# Altium PCB PCB1.PcbDoc (part 2 of 2) (continued)
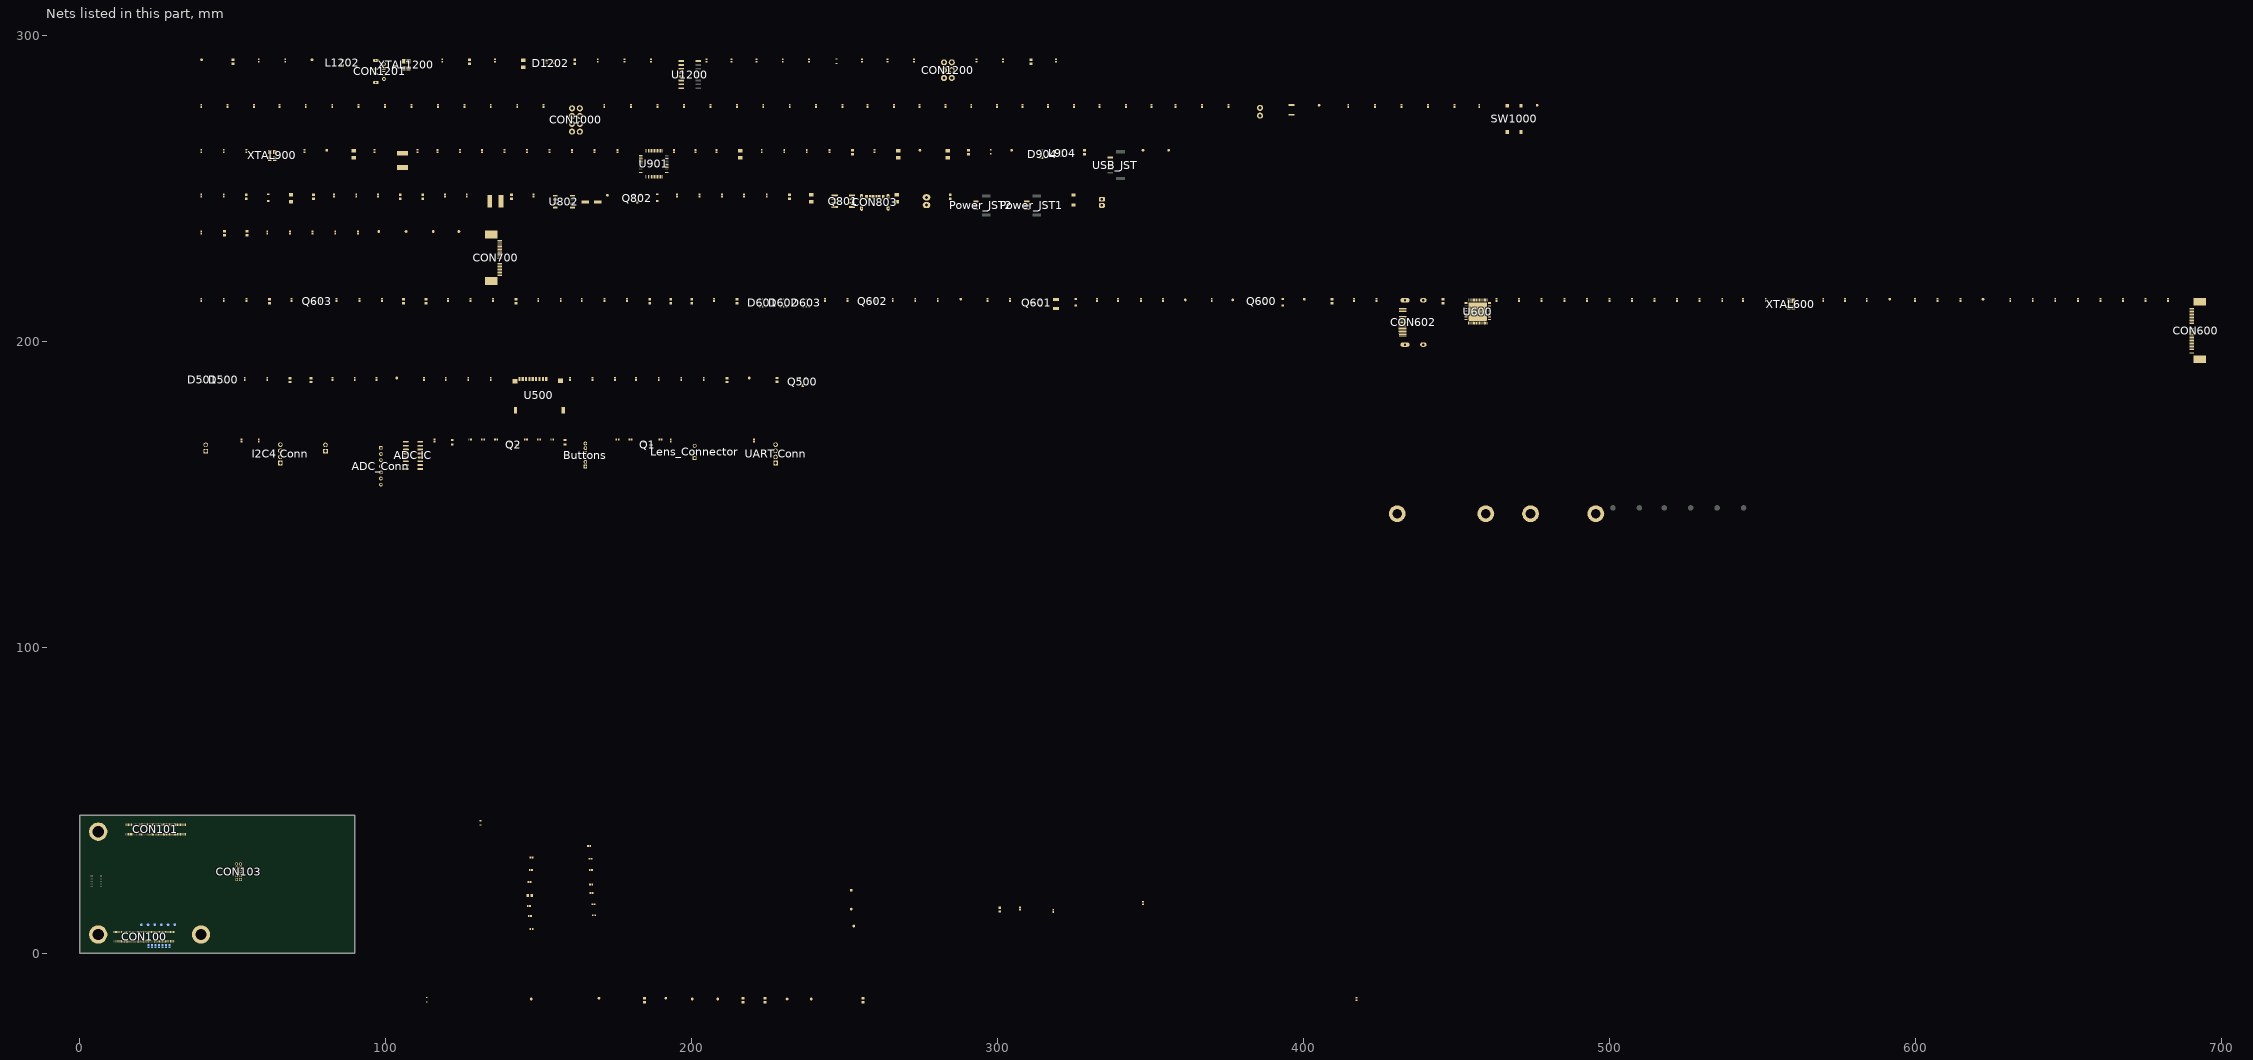
[diagram p2: the nets of this part, all layers, seen from the top]
## Part data (continued)
M100 M101 M102 M103: library part "CON-M3 SCREW", "M3 SCREW"
Power_JST1 Power_JST2: library part CMP-17439-000058-1, "CONN HEADER SMD 3POS 1.25MM", Color=Natural, Flammability Rating="UL94 V-0", Max Operating Temperature=85°C, Min Operating Temperature=-25°C, Connector Type=Header, Contact Finish - Mating=TIN, Contact Material=Bronze, Contact Plating=Tin, Contact Shape=Rectangular, Contact Type="Outer Shroud Contact", Fastening Type=Ramp, Insulation Color=Natural, Insulation Material=Nylon, Lead Free="Lead Free", Mount="Surface Mount", Number of Positions=3, Number of Rows=1, Packaging="Cut Tape", Pitch=0.049inch, Series=GH, Termination=Solder
Q1 Q2: "PNP Bipolar Transistor", LatestRevisionDate=29-May-2009, LatestRevisionNote="IPC-7351 Footprint Added.", PackageDescription="3-Pin SOT-23 Package 0.95 mm Pitch, 2.4 mm Lead Span", PackageReference=SOT-23B, PackageVersion=Aug-1999, Published=8-Jun-2000, Publisher="Altium Limited"
Q500: library part MOS-DMG2305UX-13, "MOSFET P-CH 20V 4.2A SOT23", Manufacturer-1="Diodes Incorporated", Class=Transistor, Created By=EE, Manufacturer Part Number-1=DMG2305UX-13, Unit Price=0.072D
Q600: "MOSFET N-CH 50V 0.2A UMT3F", Manufacturer Part Number-1=RU1J002YNTCL, Manufacturer-1=ROHM, Opt. Temp.=-55/+150, Class=Transistor, Created By=LA, Created Date=23.11.2018, Price Break=3K, Unit Price=0,0384
Q601: library part TRANSISTOR-BC846, "TRANS PNP 65V 0.1A SOT-23", Manufacturer Part Number-1=BC846B,215, Manufacturer-1=NXP, Class=TRANSISTOR, Created By=LA, Price Break=3000, Unit Price=0.02306
Q602 Q603: library part MOS-N-SSM6N37FU,LF, "MOSFET DUAL N-CHANNEL 20V 250MA SOT-363", Manufacturer Part Number-1=SSM6N37FU,LF, Manufacturer-1=TOSHIBA, Opt. Temp.="-55°C ~ 150°C (TJ)", Class=Transistor, Created By=OKS, Created Date=26.05.2022
Q801: library part MOS-P-DMP3028LSD-13, "MOSFET 2P-CH 30V 6A SO-8", Manufacturer Part Number-1=DMP3028LSD-13, Manufacturer-1="Diodes Incorporated", Class=Transistor
Q802: library part TRANSISTOR-BC856, "TRANS PNP 65V 0.1A SOT-23", Manufacturer Part Number-1=BC856, Manufacturer-1="ON Semi", Class=TRANSISTOR, Created By=LA
R1 R2 R3 R4 R5 R6 R7 R8 R9 R10 R11 R12 R15 R16 R111 R112 R113 R114 R116 R813: library part RES-CRGCQ0402J330R, "330 ±5% 0.063W, 1/16W Chip Resistor 0402 (1005 Metric) Automotive AEC-Q200, Moisture Resistant Thick Film", Manufacturer Part Number-1=CRGCQ0402J330R, Manufacturer-1="TE Connectivity Passive Product", Opt. Temp.="-55°C ~ 155°C", Tolerance=%5, Class=Resistor, Created By=E.E, Created Date=23.10.2020
R13 R14: "Resistor", LatestRevisionDate=29-May-2009, LatestRevisionNote="IPC-7351 Footprint Added.", PackageDescription="Chip Resistor", PackageReference=J1-0603, Published=8-Jun-2000, Publisher="Altium Limited"
R100 R102 R103 R104 R105 R106 R807 R808 R810 R811 R812 R815 R818 R1000 R1001 R1002 R1006 R1007 R1008 R1012 R1013 R1014 R1015 R1016 R1017 R1019 R1023 R1024 R1026 R1030 R1031 R1032 R1033 R1034 R1035 R1036 R1041 R1042: library part RES-4.7K, "RES 4.7K OHM 5% 1/16W 0402", Manufacturer Part Number-1=RC0402JR-074K7L, Manufacturer-1=Yageo, Opt. Temp.=-55/+155, Tolerance=%5, Class=Resistor, Created By=LA
  R807 R808 R818 R1006 R1007 R1008 R1015 R1016 R1017 R1026 R1033 R1034 R1035 R1036 R1041 R1042: ASSY_OPT=DNP
R101 R820 R1200 R1201 R1206 R1210: library part RES-RMCF0402JT1K00, "RES 1K OHM 5% 1/16W 0402", Manufacturer Part Number-1=RMCF0402JT1K00, Manufacturer-1=STACKPOLE, Opt. Temp.=-55/+155, Tolerance=%5, Class=Resistor, Created By=LA, Created Date=23.11.2018, Price Break=10K, Unit Price=0,00127
  R1210: ASSY_OPT=DNP
R115 R124 R125 R126 R604 R605 R606 R607 R608 R620 R621 R635 R636 R637 R638 R639 R640 R641 R642 R643 R644 R645 R646 R647 R648 R649 R650 R701 R702 R703 R704 R705 R905 R907 R908 R909 R910: library part RES-RMCF0402ZT0R00, "RES 0 OHM JUMPER 1/16W 0402", Manufacturer Part Number-1=RMCF0402ZT0R00, Manufacturer-1=STACKPOLE, Opt. Temp.=-55/+155, Class=Resistor, Created By=LA, Created Date=23.11.2018, Price Break=10K, Unit Price=0,00127
  R124 R125 R126 R605 R607 R635 R637 R639 R641 R643 R645 R647 R649: ASSY_OPT=DNP
R117 R809 R1209: library part RES-CRGCQ0402F2K2, "2.2 ±1% 0.063W, 1/16W Chip Resistor 0402 (1005 Metric) Automotive AEC-Q200, Moisture Resistant Thick Film", Manufacturer Part Number-1=CRGCQ0402F2K2, Manufacturer-1="TE Connectivity Passive Product", Opt. Temp.="-55°C ~ 155°C", Class=Resistor, Created By=E.E, Created Date=22.10.2020
R120 R121 R122 R619 R625 R626 R628 R629 R630 R631 R632 R633 R634 R900 R901: library part RES-RMCF0402JT10K0, "RES 10K OHM 5% 1/16W 0402", Manufacturer Part Number-1=RMCF0402JT10K0, Manufacturer-1=STACKPOLE, Opt. Temp.=-55/+155, Tolerance=%5, Class=Resistor, Created By=LA, Created Date=23.11.2018, Price Break=10K, Unit Price=0,00127
  R120 R121 R122: ASSY_OPT=DNP
R123: library part RES-RMCF0603FT100R, "RES 100 OHM %1 1/10W 0603", Manufacturer Part Number-1=RMCF0603FT100R, Manufacturer-1=STACKPOLE, Opt. Temp.=-55/+155, ASSY_OPT=DNP, Class=Resistor, Created By=LA, Features=AUTOMOTIVE
R500 R501 R502 R503 R504 R505 R506: library part RES-47K, "RES 47K OHM 5% 1/16W 0402", Opt. Temp.=-55/+155, Tolerance=%5, Class=Resistor, Created By=LA
R507 R508 R509 R510 R511 R512 R513: library part "RES- RC0402JR-0722RL.", "RES, THICK FILM, 22R, 5%, 0.0625W, 0402, REEL", Manufacturer Part Number-1=RC0402JR-0722RL., Manufacturer-1=YAGEO, Class=Resistor, Created By=E.E, Created Date=22.10.2020
R514 R611 R612 R623 R624 R627 R902 R903 R904 R1003 R1004 R1005 R1009 R1010 R1011 R1018 R1020 R1021 R1022 R1025 R1027 R1028 R1029 R1037 R1038 R1039 R1040 R1043 R1044: library part RES-RMCF0402JT100K, "RES 100K OHM 5% 1/16W 0402", Manufacturer Part Number-1=RMCF0402JT100K, Manufacturer-1=STACKPOLE, Opt. Temp.=-55/+155, Tolerance=%5, Class=Resistor, Created By=LA, Created Date=23.11.2018, Features=AUTOMOTIVE, Price Break=10K, Unit Price=0,00127
  R1003 R1004 R1005 R1011 R1037 R1038 R1039 R1040 R1043 R1044: ASSY_OPT=DNP
R600: library part RES-RMCF0402FT510K, "RES 510K OHM 1% 1/16W 0402", Manufacturer Part Number-1=RMCF0402FT510K, Manufacturer-1="Stackpole Electronics Inc", Class=Resistor, Created By=LA
R609 R610: library part RES-RMCF0402FT3K00, "3 ±1% 0.063W, 1/16W Chip Resistor 0402 (1005 Metric) Automotive AEC-Q200 Thick Film", Manufacturer Part Number-1=RMCF0402FT3K00, Manufacturer-1="Stackpole Electronics Inc", Tolerance=1, Class=Resistor, Created By=E.E, Created Date=9.11.2020
R806: library part RES-RC0603JR-07270RL, "RES SMD 270 OHM 5% 1/10W 0603", Manufacturer Part Number-1=RC0603JR-07270RL, Manufacturer-1=Yageo, ASSY_OPT=DNP, Class=Resistor, Created By=EE
R814: library part RES-RC0402FR-0724K9L, "24.9 ±1% 0.063W, 1/16W Chip Resistor 0402 (1005 Metric) - Thick Film", Manufacturer Part Number-1=RC0402FR-0724K9L, Manufacturer-1=Yageo, Opt. Temp.="-55°C ~ 155°C", Class=Resistor, Created By=E.E, Created Date=19.10.2020
R816: library part RES-RC0603FR-074K99L, "RES 4.99K OHM %1 1/10W 0603", Manufacturer Part Number-1=RC0603FR-074K99L, Manufacturer-1=YAGEO, Opt. Temp.=-55/+155, Class=Resistor, Created By=LA
R817: library part RES-CRCW04027K87FKED, "7.87 kOhms ±1% 0.063W, 1/16W Chip Resistor 0402 (1005 Metric) Automotive AEC-Q200 Thick Film", Manufacturer Part Number-1=CRCW04027K87FKED, Manufacturer-1="Vishay Dale", Class=Resistor, Created By=EE
R819: library part RES-0805S8J0103TDE, "RES SMD 10K 5% 0805", Manufacturer Part Number-1=0805S8J0103TDE, Manufacturer-1=ROYALOHM, Class=Resistor
R906: library part RES-RMCF0402FT2K70, "RES SMD 2.7K OHM 1% 1/16W 0402", Manufacturer Part Number-1=RMCF0402FT2K70, Manufacturer-1=Yageo, Class=Resistor, Created By=EE
R1202 R1203 R1204 R1205: library part RES-ERJ-2RKF1620X, "162 ±1% 0.1W, 1/10W Chip Resistor 0402 (1005 Metric) Automotive AEC-Q200 Thick Film", Manufacturer Part Number-1=ERJ-2RKF1620X, Manufacturer-1="Panasonic Electronic Components", Class=Resistor, Created By=E.E, Created Date=8.11.2020
SW1000: library part SW-DS1042-03-1-9-KKR-160-10, "SWITCH TACT 6x6MM 8.5MM 160gf SMD", Manufacturer-1=CINNFLY, Opt. Temp.=-25/+70, Class=Switch, Created By=LA, Created Date=19.04.2019, Manufacturer Part Number-1=SW-DS1042-03-1-9-KKR-160-10, Price Break=700, Unit Price=0,063
SW1001: library part SW-STO-060A16AB, "SWITCH TACTILE, SPST-NO, 0.02A 1", Manufacturer Part Number-1=STO-060A16AB, Manufacturer-1="Mitsumi Electric Company Ltd", Class=Switch, Created By=EE
U500: library part CON-L-KLS1-TF-003-H1.85-R, "CONECTOR MICRO SD CARD SMD KLS", Manufacturer Part Number-1=L-KLS1-TF-003-H1.85-R, Manufacturer-1=KLS, Opt. Temp.=-25/+90, Class=Connector, Created By=LA, Created Date=19.04.2019, Price Break=1000, Unit Price=0,2299
U600: library part IC-LT8912B, Manufacturer Part Number-1=LT8912B, Manufacturer-1="Lontium SemiconductorLontium SemiconductorLontium Semiconductor", Opt. Temp.="−40°C to +85°C", Class=ICs, Created By=E.E, Created Date=16.10.2020, Price Break=1040, Unit Price=2.98
U601: library part FUSE-0ZCJ0025AF2E, "Polymeric PTC Resettable Fuse 24V 250mA Ih Surface Mount 1206 (3216 Metric), Concave", Manufacturer Part Number-1=0ZCJ0025AF2E, Manufacturer-1="Bel Fuse Inc.", Class=FUSE, Created By=EE, Price Break=3000, Unit Price=0.0512
U802: library part IC-NCP3170ADR2G, "Buck Regulator, Switching, PWM, 3.0 A", Manufacturer-1="ON Semiconductor", Opt. Temp.="-40 to +85", Class=ICs, Created By=E.E, Created Date=16.10.2020, Manufacturer Part Number-1=NCP3170ADR2G, Price Break=5000, Unit Price=0.25
U901: library part IC-FE1.1-AQFP48A, "IC 4XCH USB Hub Controller USB 2.0 USB Interface 48-QFP (7x7)", Manufacturer Part Number-1=FE1.1-AQFP48A, Manufacturer-1=TERMINUS, Class=ICs, Created By=OKS, Created Date=03.06.2022, Price Break=5000, Unit Price=1.05
U1200: library part IC-CH340G, "IC-340 USB INTERFACE SO16", Manufacturer-1=ÖZDİSAN, Class=ICs, Created By=E.E., Created Date=16.10.2020, Manufacturer Part Number-1=CH340G, Price Break=5000, Unit Price=0.35
USB_JST: library part CMP-17439-000129-1, "CONN HEADER SMD 5POS 1.25MM", Color=Natural, Flammability Rating="UL94 V-0", Max Operating Temperature=85°C, Min Operating Temperature=-25°C, Voltage Rating=50V, Connector Type=Header, Contact Finish - Mating=TIN, Contact Material=Bronze, Contact Plating=Tin, Contact Shape=Rectangular, Contact Type="Outer Shroud Contact", Fastening Type=Latch, Insulation Color=Natural, Insulation Material=Nylon, Mated Stacking Heights=8.8mm, Mount="Surface Mount", Number of Positions=5, Number of Rows=1, Packaging="Cut Tape", Pitch=0.049inch, Series=GVH, Termination=Solder
XTAL600: "CRYSTAL 25.0000MHZ 18PF SMD", Manufacturer Part Number-1="TSX-3225 25.0000MF10P-C0", Manufacturer-1=EPSON, Opt. Temp.=+40/+85, Class=Crystal, Created By=E.E, Created Date=20.10.2020, Price Break=2K, Unit Price=0,176
XTAL900 XTAL1200: library part "XTAL-FA-238V 12.0000MB50X-C0", "CRYSTAL 12.0000MHZ 18PF SMD", Manufacturer Part Number-1="FA-238V 12.0000MB50X-C0", Manufacturer-1=EPSON, Opt. Temp.=+40/+85, Class=Crystal, Created By=E.E, Created Date=20.10.2020, Price Break=1K, Unit Price=0.6

## Nets (pads, with @x,y where several pads share a name; then routed paths per layer and width w, separated by ;. In a path a pad name is that pad's centre, name@x,y a point inside that pad or via, vN(x,y) a via of type N, cw(c..) or ccw(c..) an arc to the next point about the centre after c; other vN are vias at no path point)
3V3: "I2C4 Conn.1" "UART Conn.1"
3V3_CAM: C700.1 C702.1 CON700.24 L701.1
3V3_CON: C602.1 CON600.24 CON600.25 L607.2
5v: "ADC IC.15" "ADC IC.16" Q1.3 Q2.3
+1.5V_VDD: C100.2 CON101.35 CON101.38 TP115.1
+1.8V_HUB: C907.1 C910.1 C911.2 C913.1 TP910.1 U901.3 U901.9 U901.26 U901.29
+1.8V_VDD: C104.1 C601.1 C621.1 C622.1 C623.1 CON101.27 CON101.29 CON101.30 CON101.31 CON101.32 CON101.34 CON600.28 CON600.29 D101.1 L600.1 L601.1 L606.1 Q601.3 Q602.2 Q602.5 R120.2 R121.2 R123.2 R625.2 R629.2 R1031.1 R1032.1 TP112.1
+3.3V_EXT: L607.1 L701.2 L805.2 Power_JST1.2 Power_JST2.2 TP808.1
+3.3V_EXT_ENABLE: R112.2 R813.1
+3.3V_HUB: C903.1 C904.1 C908.2 C909.2 C912.2 C914.2 C915.2 R903.2 R904.2 TP909.1 U901.13 U901.27 U901.32 U901.39 U901.41
+3.3V_VDD: C105.1 C500.1 CON101.21 CON101.22 CON101.23 CON101.24 CON101.25 CON101.26 CON101.28 L1204.2 L1205.1 Q500.2 Q603.2 Q603.5 R100.2 R101.1 R102.2 R103.2 R104.2 R105.2 R106.2 R115.1 R500.2 R626.2 R628.2 R630.2 R634.2 R1000.2 R1001.2 R1002.2 R1006.2 R1007.2 R1008.2 R1015.2 R1016.2 R1017.2 R1026.2 R1030.1 R1033.2 R1034.2 R1035.2 R1036.2 R1041.2 R1042.2 R1200.1 TP111.1
+5V: C102.1 C600.1 C801.1 C802.1 CON101.1 CON101.2 CON101.3 CON101.4 CON101.5 CON101.6 CON101.7 CON101.8 CON600.26 CON600.27 D604.K F901.1 L806.2 L909.2 L1200.2 Power_JST1.1 Power_JST2.1 R631.2 R633.2 R820.1 R910.2 TP106.1 TP107.1 U601.1 U802.2
+VBACKUP: CON101.36 CON801.1 D804.K R806.1 TP114.1
+VBUS_USB: C901.1 F901.2 L907.2 U901.48
+VIN_USB: CON802.2 CON803.A9 CON803.B9 L803.1 Q801.D1 R806.2 R807.1 R808.1
CC1: CON803.A5 R808.2 R812.1
CC2: CON803.B5 R807.2 R811.1
CH0: "ADC IC.1" "CH0 Conn.1"
CH1: "ADC IC.2" "CH1 Conn.1"
CH2: "ADC IC.3" ADC_Conn.1
CH3: "ADC IC.4" ADC_Conn.2
CH4: "ADC IC.5" ADC_Conn.3
CH5: "ADC IC.6" ADC_Conn.4
CH6: "ADC IC.7" ADC_Conn.5
CH7: "ADC IC.8" ADC_Conn.6
CHASIS: CON602.G1 CON602.G2 CON602.G3 CON602.G4 CON803.S1 CON803.S2 CON803.S3 CON803.S4
CHASIS2: C1204.1 CON1201.G1 CON1201.G2 CON1201.G3 CON1201.G4 CON1201.G5 CON1201.G6 L1201.2
"CONFIG 1": CON1000.1 R1012.2 R1013.2 R1014.2 R1018.2
"CONFIG 2": CON1000.3 R1019.2 R1023.2 R1024.2 R1025.2
D1_N: CON600.3 R607.2 R608.2
D1_P: CON600.2 R605.2 R606.2
D2_N: CON600.6 R637.2 R638.2 TP601.1
D2_P: CON600.5 R635.2 R636.2 TP600.1
D3_N: CON600.9 R641.2 R642.2
D3_P: CON600.8 R639.2 R640.2
D4_N: CON600.12 R645.2 R646.2
D4_P: CON600.11 R643.2 R644.2
D5_N: CON600.15 R649.2 R650.2
D5_P: CON600.14 R647.2 R648.2
DISP_CON_O1: CON600.18 R113.1
DISP_CON_O2: CON600.19 R116.1
DISP_INT: CON600.17 Q600.1 R619.2
DSI/LVDS_CON_INT: CON100.72 Q600.3
DSI_GPIO: CON100.94 R604.1
ECSPI2_MISO_3V3: "ADC IC.12" CON100.16
ECSPI2_MOSI_3V3: "ADC IC.11" CON100.18
ECSPI2_SCLK_3V3: "ADC IC.13" CON100.14
ECSPI2_SS0_3V3: "ADC IC.10" CON100.12
GND: "ADC IC.9" "ADC IC.14" "CH0 Conn.2" "CH1 Conn.2" "I2C4 Conn.4" "UART Conn.4" ADC_Conn.7 Buttons.6 C100.1 C102.2 C104.2 C105.2 C500.2 C501.2 C502.2 C506.2 C600.2 C601.2 C602.2 C603.2 C604.2 C612.2 C613.2 C621.2 C622.2 C623.2 C624.2 C625.2 C626.2 C627.2 C628.2 C629.2 C631.2 C633.2 C636.2 C637.2 C640.2 C700.2 C702.2 C801.2 C802.2 C804.2 C805.2 C806.2 C901.2 C903.2 C904.2 C905.1 C906.1 C907.2 C908.1 C909.1 C910.2 C911.1 C912.1 C913.2 C914.1 C915.1 C923.2 C924.2 C1200.2 C1201.2 C1202.2 C1203.2 C1204.2 C1205.2 CON100.1 CON100.7 CON100.8 CON100.13 CON100.19 CON100.20 CON100.25 CON100.31 CON100.32 CON100.37 CON100.43 CON100.44 CON100.49 CON100.55 CON100.61 CON100.67 CON100.68 CON100.73 CON100.79 CON100.80 CON100.87 CON100.92 CON100.97 CON101.9 CON101.10 CON101.11 CON101.12 CON101.13 CON101.14 CON101.15 CON101.16 CON101.17 CON101.18 CON101.19 CON101.20 CON101.47 CON101.48 CON101.59 CON101.62 CON101.71 CON101.76 CON101.83 CON101.90 CON101.95 CON103.4 CON103.6 CON104.0 CON106.0 CON107.0 CON600.0 CON600.1 CON600.4 CON600.7 CON600.10 CON600.13 CON600.16 CON600.30 CON602.2 CON602.5 CON602.8 CON602.11 CON700.0 CON700.1 CON700.4 CON700.7 CON700.10 CON700.13 CON700.16 CON700.19 CON801.2 CON802.1 CON803.A12 CON803.B12 CON1001.2 D100.2 D500.2 D501.2 D601.2 D602.2 D603.2 D800.A D802.2 D804.A D901.1 D904.2 D1202.2 L104.2 L105.2 L106.2 L107.2 L902.2 L1201.1 L1203.2 Lens_Connector.1 Power_JST1.3 Power_JST2.3 Q600.2 R2.1 R6.1 R10.1 R13.1 R14.1 R117.2 R124.2 R125.2 R514.1 R609.1 R612.2 R619.1 R624.1 R627.1 R810.2 R811.2 R812.2 R817.1 R819.1 R900.1 R902.1 R905.1 R906.2 R907.1 R908.1 R909.1 R1003.1 R1004.1 R1005.1 R1009.1 R1010.1 R1011.1 R1018.1 R1020.1 R1021.1 R1022.1 R1025.1 R1027.1 R1028.1 R1029.1 R1037.1 R1038.1 R1039.1 R1040.1 R1043.1 R1044.1 R1209.1 SW1000.1 SW1000.2 SW1001.1 TP108.1 U500.0 U500.6 U600.6 U600.17 U600.23 U600.29 U600.32 U600.36 U600.42 U600.49 U600.51 U600.55 U600.56 U600.65 U802.1 U802.3 U901.6 U901.10 U901.16 U901.22 U901.25 U901.33 U901.37 U901.40 U1200.1 XTAL600.2 XTAL600.4 XTAL900.2 XTAL900.4 XTAL1200.2 XTAL1200.4
GPIO_EXP_1: CON101.54 Q2.2 R14.2
GPIO_EXP_2: CON101.60 R1.2 R2.2
GPIO_EXP_3: CON101.74 R3.2 R4.2
GPIO_EXP_4: CON101.56 R5.2 R6.2
GPIO_EXP_5: CON101.93 R7.2 R8.2
GPIO_EXP_6: CON101.97 R9.2 R10.2
GPIO_EXP_7: CON101.58 Q1.2 R13.2
HDMI_HPD: CON100.48 Q601.2 R627.2 TP603.1 U600.14
HDMI_XTALI: C613.1 R600.1 U600.53 XTAL600.1
HDMI_XTALO: C612.1 R600.2 U600.54 XTAL600.3
HDMICK_N: CON602.12 D602.1 U600.21
HDMICK_P: CON602.10 D602.6 U600.22
HDMITX0_N: CON602.9 D602.4 U600.24
HDMITX0_P: CON602.7 D602.3 U600.25
HDMITX1_N: CON602.6 D603.1 U600.27
HDMITX1_P: CON602.4 D603.6 U600.28
HDMITX2_N: CON602.3 D603.4 U600.30
HDMITX2_P: CON602.1 D603.3 U600.31
HPD: CON602.19 D601.1 R623.2 R624.2
I2C2_SCL_1V8: Q602.4 R629.1 U600.62
I2C2_SCL_3V3: CON100.22 Q602.3 R100.1 R628.1 R702.2 TP100.1
I2C2_SDA_1V8: Q602.1 R625.1 U600.61
I2C2_SDA_3V3: CON100.24 Q602.6 R102.1 R626.1 R704.2 TP101.1
I2C3_SCL_3V3: CON100.30 CON600.22 Q603.1 R103.1 R630.1 TP102.1
I2C3_SCL_5V: D601.4 Q603.6 R620.1 R631.1
I2C3_SDA_3V3: CON100.34 CON600.23 Q603.4 R104.1 R634.1 TP103.1
I2C3_SDA_5V: D601.6 Q603.3 R621.1 R633.1
I2C4_SCL_3V3: CON100.26 R16.1 R105.1 R703.2 TP104.1
I2C4_SDA_3V3: CON100.28 R15.1 R106.1 R705.2 TP105.1
IRQ_HDMI: CON101.39 U600.63
JTAG_nTRST: CON100.58 R126.2
JTAG_TCK: CON100.60 CON103.3
JTAG_TDI: CON100.52 CON103.1 R120.1
JTAG_TDO: CON100.50 CON103.5 R121.1
JTAG_TMS: CON100.56 CON103.7
LVDSCK_N: R646.1 U600.40
LVDSCK_P: R644.1 U600.39
LVDSTX0_N: R638.1 U600.48
LVDSTX0_P: R636.1 U600.47
LVDSTX1_N: R608.1 U600.46
LVDSTX1_P: R606.1 U600.45
LVDSTX2_N: R650.1 U600.44
LVDSTX2_P: R648.1 U600.43
LVDSTX3_N: R642.1 U600.38
LVDSTX3_P: R640.1 U600.37
MIPI_CSI_CLK_N: CON100.53 CON700.5 TP702.1
MIPI_CSI_CLK_P: CON100.51 CON700.6 TP703.1
MIPI_CSI_D0_N: CON100.59 CON700.2 TP700.1
MIPI_CSI_D0_P: CON100.57 CON700.3 TP701.1
MIPI_CSI_D1_N: CON100.47 CON700.8
MIPI_CSI_D1_P: CON100.45 CON700.9
MIPI_CSI_D2_N: CON100.41 CON700.11
MIPI_CSI_D2_P: CON100.39 CON700.12
MIPI_CSI_D3_N: CON100.35 CON700.14
MIPI_CSI_D3_P: CON100.33 CON700.15
MIPI_DSI_CK_N: CON100.15 R641.1 U600.8
MIPI_DSI_CK_P: CON100.17 R639.1 U600.7
MIPI_DSI_D0_N: CON100.27 R607.1 U600.2
MIPI_DSI_D0_P: CON100.29 R605.1 U600.1
MIPI_DSI_D1_N: CON100.21 R637.1 U600.4
MIPI_DSI_D1_P: CON100.23 R635.1 U600.3
MIPI_DSI_D2_N: CON100.9 R645.1 U600.10
MIPI_DSI_D2_P: CON100.11 R643.1 U600.9
MIPI_DSI_D3_N: CON100.3 R649.1 U600.12
MIPI_DSI_D3_P: CON100.5 R647.1 U600.11
NetButtons_1: Buttons.1 R1.1
NetButtons_2: Buttons.2 R3.1
NetButtons_3: Buttons.3 R5.1
NetButtons_4: Buttons.4 R7.1
NetButtons_5: Buttons.5 R9.1
NetC506_1: C506.1 D500.5 R510.2 TP502.1 U500.5
NetC620_1: C620.1 U600.35
NetC804_1: C804.1 C806.1 L804.2 L805.1 R814.2
NetC805_1: C805.1 R816.1
NetC905_2: C905.2 C906.2 L909.1 R901.2 U901.38
NetC923_1: C923.1 U901.11 XTAL900.1
NetC924_1: C924.1 U901.12 XTAL900.3
NetC1200_1: C1200.1 C1201.1 L1200.1 L1204.1 L1206.2 R1201.1 U1200.16
NetC1202_1: C1202.1 U1200.7 XTAL1200.1
NetC1203_1: C1203.1 U1200.8 XTAL1200.3
NetC1205_1: C1205.1 L1205.2 U1200.4
NetCON100_91: CON100.91 R115.2
NetCON103_2: CON103.2 R123.1
NetCON103_8: CON103.8 R124.1
NetCON103_9: CON103.9 D102.2 R122.1
NetCON103_10: CON103.10 R125.1 R126.1
NetCON600_21: CON600.21 R604.2
NetCON602_13: CON602.13 TP605.1
NetCON602_14: CON602.14 TP606.1
NetCON602_15: CON602.15 R620.2
NetCON602_16: CON602.16 R621.2
NetCON602_17: CON602.17 R611.1 R612.1
NetCON602_18: CON602.18 D600.K
NetCON700_18: CON700.18 R701.1
NetCON700_20: CON700.20 R702.1 R703.1
NetCON700_21: CON700.21 R704.1 R705.1
NetCON1000_2: CON1000.2 CON1000.4 R1030.2
NetCON1000_6: CON1000.6 R1031.2
NetCON1000_8: CON1000.8 R1032.2
NetCON1200_1: CON1200.1 R1203.2
NetCON1200_2: CON1200.2 R1202.1
NetCON1200_5: CON1200.5 R1204.2
NetCON1200_6: CON1200.6 R1205.1
NetCON1201_1: CON1201.1 L1206.1
NetCON1201_5: CON1201.5 L1203.1
NetD100_1: D100.1 R101.2
NetD101_2: D101.2 R122.2
NetD500_1: D500.1 R505.1 R511.2 R514.2 U500.3
NetD500_3: D500.3 R501.1 R512.2 U500.2
NetD500_4: D500.4 R504.1 R513.2 U500.1
NetD501_1: D501.1 R506.1 R508.2 U500.8
NetD501_3: D501.3 R503.1 R507.2 U500.9
NetD501_4: D501.4 R502.1 R509.2 U500.7
NetD600_A: D600.A U601.2
NetD604_A: D604.A R611.2
NetD800_K: D800.K R809.1 R815.1
NetD801_A: D801.A Q801.G1 R819.2
NetD801_K: D801.K Q801.S1 Q801.S2 Q802.2 R809.2 R818.2
NetD802_1: D802.1 R820.2
NetD901_2: D901.2 L907.1 TP906.1 USB_JST.4
NetD1200_1: D1200.1 R1200.2
NetD1201_1: D1201.1 R1201.2
NetD1203_2: D1203.2 R1204.1 R1210.2
"NetI2C4 Conn_2": "I2C4 Conn.2" R15.2
"NetI2C4 Conn_3": "I2C4 Conn.3" R16.2
NetL104_1: L104.1 M100.0
NetL105_1: L105.1 M101.0
NetL106_1: L106.1 M102.0
NetL107_1: L107.1 M103.0
NetL500_1: L500.1 Q500.3
NetL803_2: L803.2 L806.1 Q801.D2
NetL804_1: L804.1 U802.8
NetL902_1: L902.1 USB_JST.1
NetQ601_1: Q601.1 R623.1
NetQ801_G2: Q801.G2 Q802.3 R810.1 R818.1
NetQ802_1: Q802.1 R815.2
NetR11_2: "UART Conn.3" R11.2
NetR12_2: "UART Conn.2" R12.2
NetR609_2: R609.2 R610.1
NetR610_2: R610.2 TP602.1 U600.13
NetR813_2: R813.2 U802.6
NetR814_1: R814.1 R817.2 U802.4
NetR816_2: R816.2 U802.5
NetR900_2: R900.2 U901.42
NetR901_1: R901.1 R902.2 U901.35
NetR903_1: R903.1 U901.36
NetR904_1: R904.1 U901.34
NetR905_2: R905.2 U901.8
NetR906_1: R906.1 U901.28
NetR907_2: R907.2 U901.1
NetR908_2: R908.2 U901.5
NetR909_2: R909.2 R910.1 U901.7
Non-Polarized: Lens_Connector.3 Q2.1
nRESET_HDMI: C640.1 CON101.41 R632.1 U600.64
ONOFF: CON100.46 CON1001.1 SW1001.2 TP1001.1
PMIC_ON_REQ: CON101.50 TP118.1
Polarized: Lens_Connector.2 Q1.1
POR_B: CON101.37 D102.1
PWDN_CAM_C: CON700.17 R114.2
PWM1_E: CON100.62 CON600.20
PWM3_E: CON100.66 R701.2
REF_CLK_32K: CON101.40 TP117.1
RST_CAM_C: CON700.23 R111.2
RXD_DEBUG: D1201.2 R1206.2 U1200.2
RXD_DEBUG_3V3: CON1200.3 R1206.1 R1209.2
SAI1_RXD0: R1000.1 R1003.2
SAI1_RXD1: CON101.49 R111.1 R1001.1 R1004.2
SAI1_RXD2: CON101.51 R112.1 R1006.1 R1009.2
SAI1_RXD3: CON101.53 R114.1 R1007.1 R1010.2
SAI1_RXD4: CON101.55 R1014.1 R1034.1 R1038.2
SAI1_RXD5: CON101.57 R1019.1 R1036.1 R1040.2
SAI1_RXD6: CON101.61 R116.2 R1008.1 R1011.2
SAI1_RXD7: CON101.63 R1015.1 R1020.2
SAI1_TXD0: CON101.89 R1016.1 R1021.2
SAI1_TXD1: CON101.65 R113.2 R1002.1 R1005.2
SAI1_TXD2: CON101.67 R1013.1 R1033.1 R1037.2
SAI1_TXD3: CON101.69 R1023.1 R1041.1 R1043.2
SAI1_TXD4: CON101.73 R1012.1 R1035.1 R1039.2
SAI1_TXD5: CON101.75 R1024.1 R1042.1 R1044.2
SAI1_TXD6: R1017.1 R1022.2
SAI1_TXD7: R1026.1 R1029.2
SAI2_TXC: CON101.42 U600.60
SAI2_TXD: CON101.46 U600.58
SAI2_TXFS: CON101.44 U600.59
SD2_CD_B: CON100.76 R507.1
SD2_CLK: CON100.82 R510.1
SD2_CMD: CON100.84 R511.1
SD2_DATA0: CON100.78 R509.1
SD2_DATA1: CON100.74 R508.1
SD2_DATA2: CON100.88 R513.1
SD2_DATA3: CON100.86 R512.1
SD2_nRST: CON100.90 Q500.1 R500.1
SYS_BOOT_MODE0: CON101.45 CON1000.5 R1028.2
SYS_BOOT_MODE1: CON101.43 CON1000.7 R1027.2
SYS_nRST: CON101.33 SW1000.3 SW1000.4 TP1000.1
TEST_MODE: CON100.54 TP127.1
TXD_DEBUG: CON1200.4 D1200.2 U1200.3
UART2_RXD: CON101.94 R1203.1
UART2_TXD: CON101.96 R1202.2
UART3_RX_3V3: CON100.4 R11.1
UART3_TX_3V3: CON100.6 R12.1
UART4_RXD: CON101.92 D1203.1 R1210.1
UART4_TXD: CON101.88 R1205.2
USB2_OTG_ID: CON100.99 R117.1
USB2_UP_N: CON100.93 U901.30
USB2_UP_P: CON100.95 U901.31
USB3DP'_N: D904.1 L904.4 TP902.1 USB_JST.3
USB3DP'_P: D904.6 L904.1 TP901.1 USB_JST.2
USB3DP_N: L904.3 U901.17
USB3DP_P: L904.2 U901.18
USB_DEBUG'_N: CON1201.2 D1202.4 L1202.3 TP1201.1
USB_DEBUG'_P: CON1201.3 D1202.6 L1202.2 TP1202.1
USB_DEBUG_N: L1202.4 U1200.6
USB_DEBUG_P: L1202.1 U1200.5
VCCA_1V8: C603.1 C604.1 C628.1 C629.1 C631.1 C633.1 L600.2 U600.5 U600.26 U600.41 U600.50 U600.52
VCCA_HDMIPLL: C620.2 C636.1 C637.1 L601.2 U600.34
VDD_1V8_HDMI: C624.1 C625.1 C626.1 C627.1 L606.2 R632.2 U600.18 U600.33 U600.57
VDD_SD_CARD: C501.1 C502.1 D501.5 L500.2 R501.2 R502.2 R503.2 R504.2 R505.2 R506.2 TP500.1 U500.4
pads on no net: CON100.2 CON100.10 CON100.36 CON100.38 CON100.40 CON100.42 CON100.63 CON100.64 CON100.65 CON100.69 CON100.70 CON100.71 CON100.75 CON100.77 CON100.81 CON100.83 CON100.85 CON100.89 CON100.96 CON100.98 CON100.100 CON101.52 CON101.64 CON101.66 CON101.68 CON101.70 CON101.72 CON101.77 CON101.78 CON101.79 CON101.80 CON101.81 CON101.82 CON101.84 CON101.85 CON101.86 CON101.87 CON101.91 CON101.98 CON101.99 CON101.100 CON102.1 CON102.2 CON102.3 CON102.4 CON102.5 CON102.6 CON102.7 CON102.8 CON102.9 CON102.10 CON102.11 CON102.12 CON102.13 CON102.14 CON102.15 CON102.16 CON102.17 CON102.18 CON102.19 CON102.20 CON700.22 CON1201.4 D601.3 D601.5 D602.5 D603.5 D904.3 D904.4 D904.5 D1202.1 D1202.3 D1202.5 FD100.FD-1 FD101.FD-1 FD102.FD-1 FD103.FD-1 FD104.FD-1 FD105.FD-1 Power_JST1.4 Power_JST1.5 Power_JST2.4 Power_JST2.5 R4.1 R8.1 U600.15 U600.16 U600.19 U600.20 U802.7 U901.2 U901.4 U901.14 U901.15 U901.19 U901.20 U901.21 U901.23 U901.24 U901.43 U901.44 U901.45 U901.46 U901.47 U1200.9 U1200.10 U1200.11 U1200.12 U1200.13 U1200.14 U1200.15 USB_JST.5 USB_JST.6 USB_JST.7

## Silkscreen, mask and mechanical layers (free items; w line width, h text height)
Top Overlay:
  lines w0.102: 2.921,2.667 42.926,2.667 42.926,42.672 2.921,42.672 2.921,2.667

## Text inside footprints (layer, text, board x,y; h text height)
D100: Top Overlay "+" at 300.207,12.567 h0.38 r90
D802: Top Overlay "+" at 75.985,245.517 h0.38 r90
D1200: Top Overlay "+" at 310.427,289.586 h0.38 r90
D1201: Top Overlay "+" at 161.329,289.586 h0.38 r90